# Altium PCB MainBoard.PcbDoc (part 3 of 4) (continued)
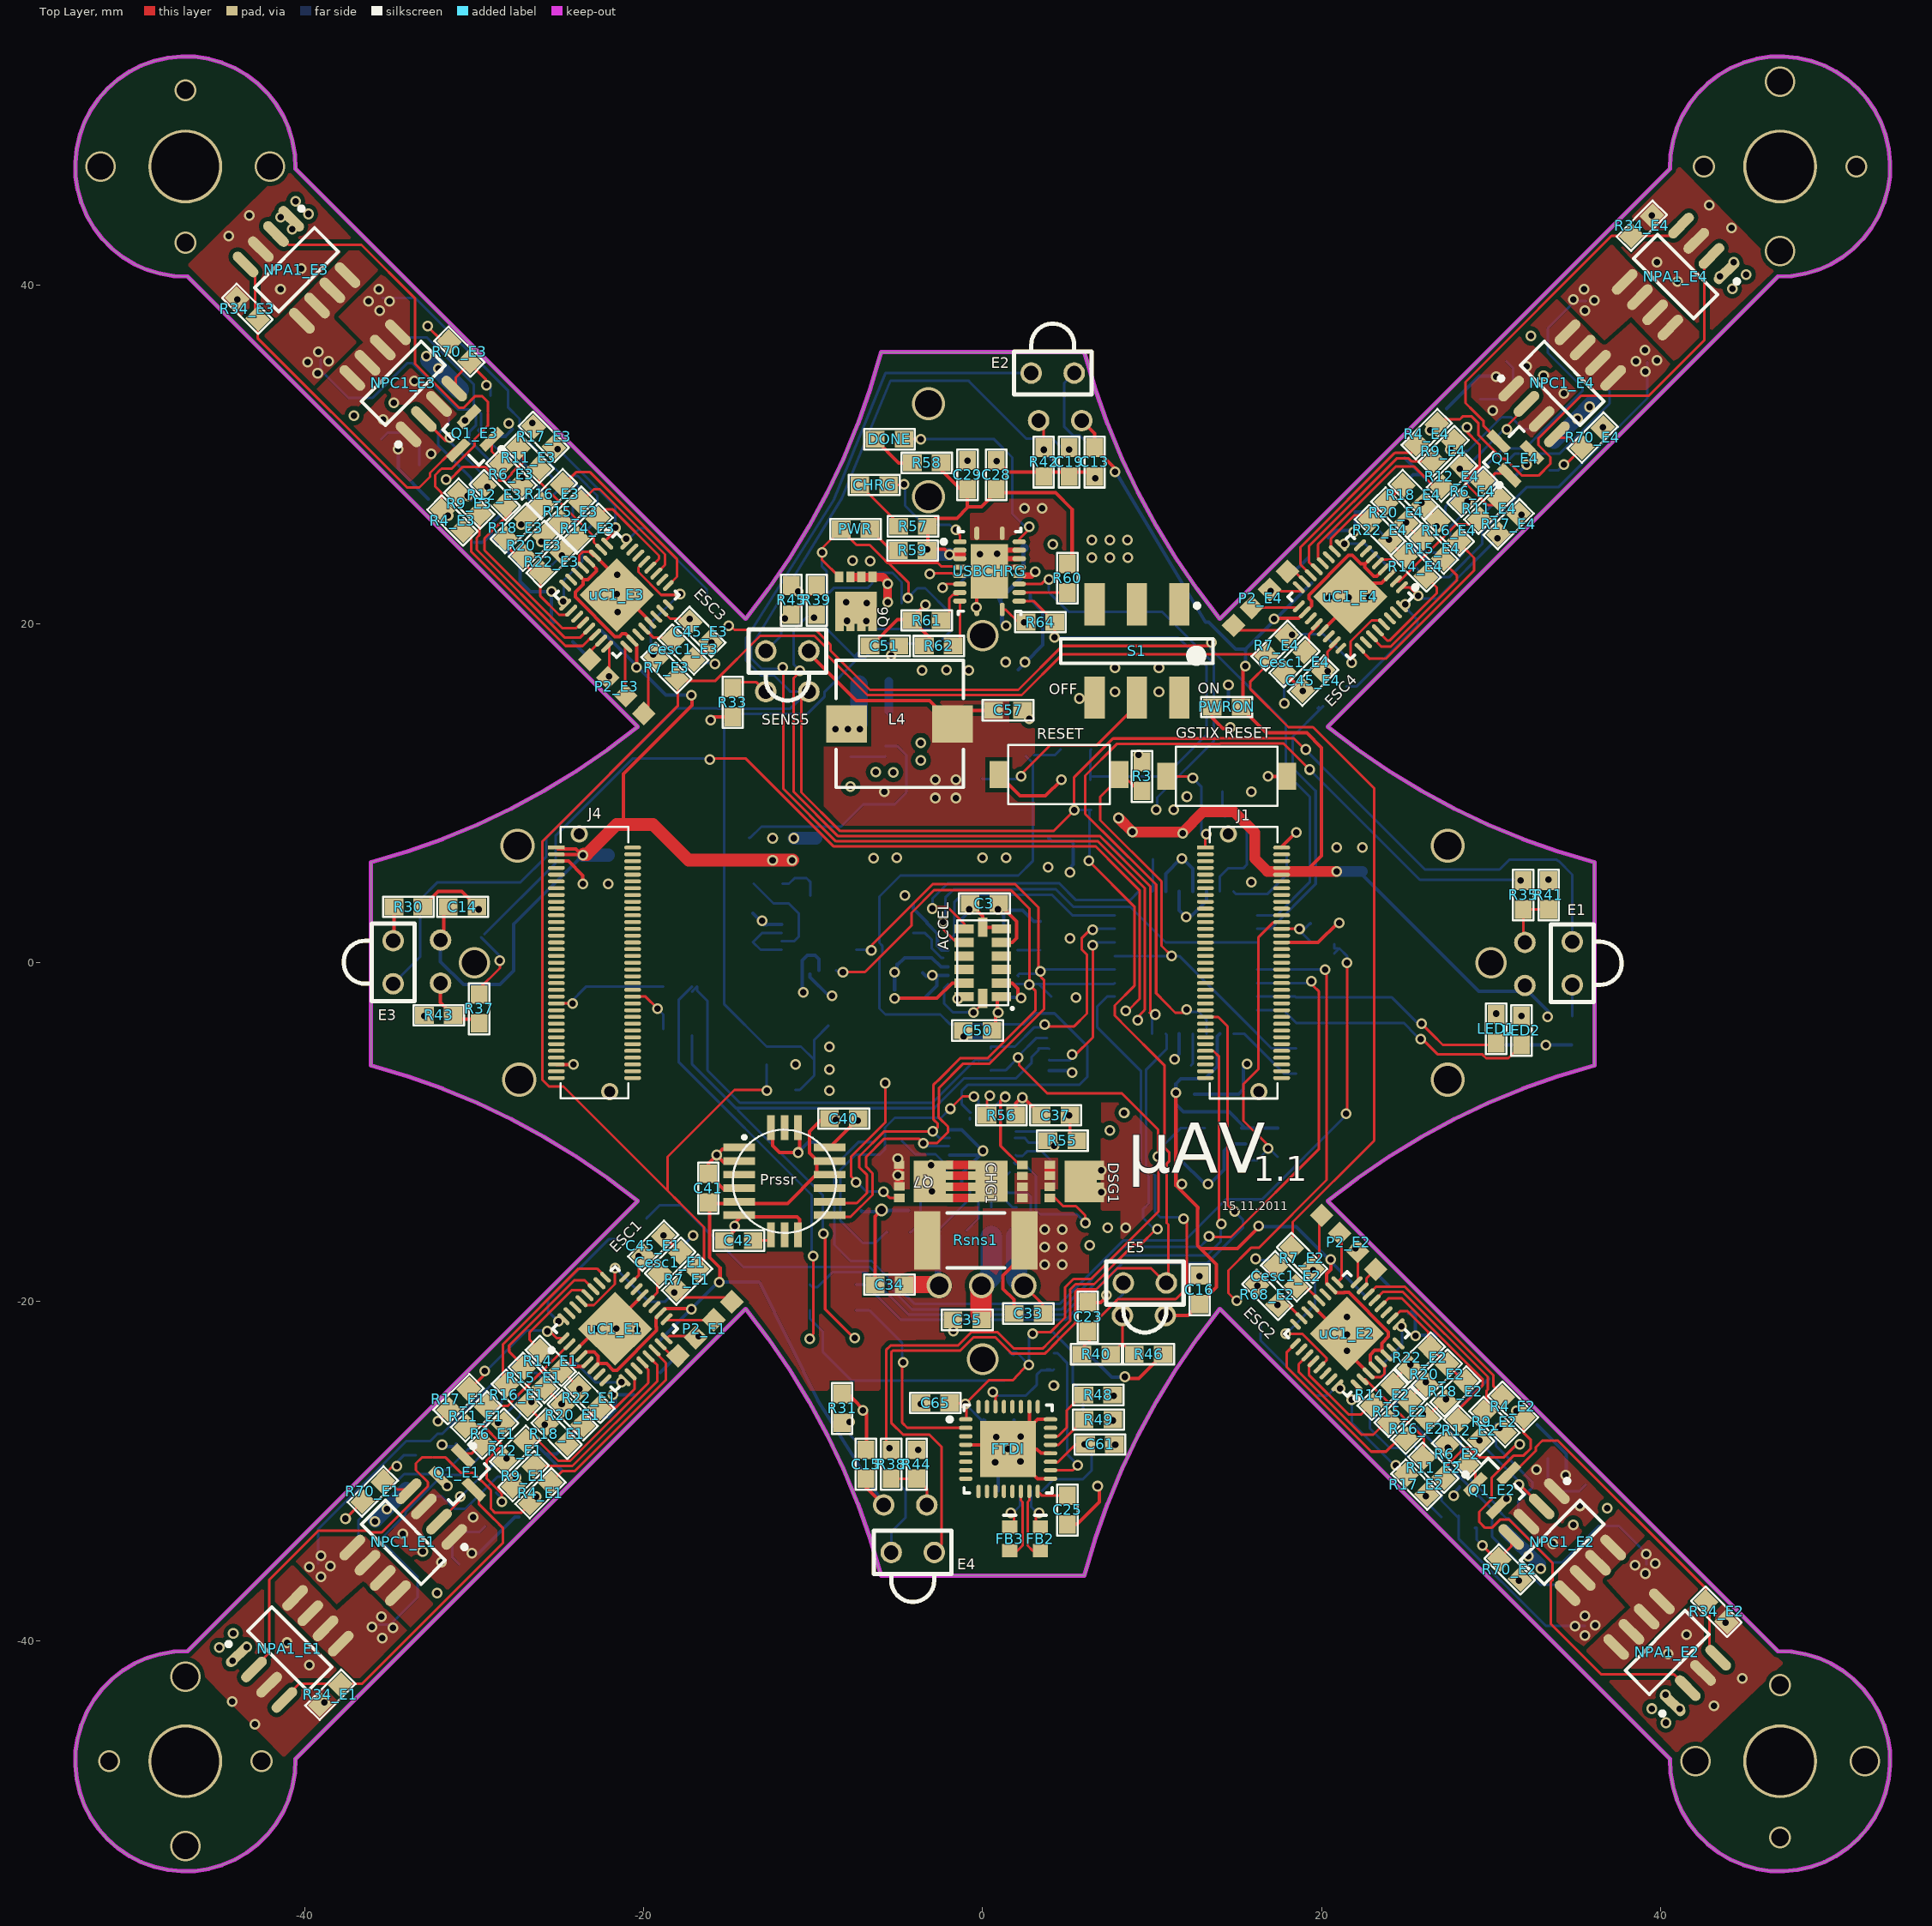
[diagram p0: Top Layer view]
## Nets (pads, with @x,y where several pads share a name; then routed paths per layer and width w, separated by ;. In a path a pad name is that pad's centre, name@x,y a point inside that pad or via, vN(x,y) a via of type N, cw(c..) or ccw(c..) an arc to the next point about the centre after c; other vN are vias at no path point) (continued)
  other v1: -10.2,-22.2
NetJP2_1: JP2.1 JP3.2 Vtrans.6 | length 42.5
  Top Layer w0.152: v1@-9.517,-16.067 v1@-9.45,-16 ; v1@-9.45,-15.95 -9.352,-16.048 -9.3,-16.1 -9.3,-17.621 -9.3,-20.45 -7.575,-22.175 -7.55,-22.2 -7.5,-22.2 -7.5,-22.15 v1@-7.5,-22.1
  Bottom Layer w0.152: JP3.2@-17.15,-4.3 -17.15,-5.994 -14.56,-8.584 ; -14.45,-8.7 -9.45,-13.7 -9.45,-15.75 v1@-9.35,-15.85 ; v1@-9.45,-16 v1@-9.45,-15.95 ; -2.857,-8.584 -1.086,-6.813 1.975,-6.813 2.896,-5.892 2.896,-5.558 3.3,-5.154 3.3,-5.05 3.85,-5.05 Vtrans.6@3.925,-5.075 ; v1@-9.45,-15.95 v1@-9.35,-15.85 ; v1@-9.45,-15.95 -9.35,-15.95 -9.3,-15.9 v1@-9.35,-15.85
  Bottom Layer w0.178: -14.56,-8.584 -2.857,-8.584
  other v1: -7.55,-22.15 -9.4,-16
NetL1_1: L1.1 USBCHRG.1 USBCHRG.20
  other v1: 6.447,23.906 7.501,23.916 8.555,23.921 6.447,24.95 7.501,24.95 8.55,24.95 2.456,26.817 3.505,26.812
NetLED1_2: LED1.2 R74.2
  other v1: 30.3,-3
NetLED2_2: LED2.2 R75.2
  other v1: 31.8,-3.15
NetLED_E1_2: LED_E1.2 R76_E1.2 | length 1.4
  Bottom Layer w0.203: R76_E1.2@-19.024,-24.174 LED_E1.2@-18.05,-23.2
NetLED_E2_2: LED_E2.2 R76_E2.2 | length 1.3
  Bottom Layer w0.203: LED_E2.2@23.05,-18.15 R76_E2.2@23.975,-19.075
NetLED_E3_2: LED_E3.2 R76_E3.2 | length 1.4
  Bottom Layer w0.203: R76_E3.2@-24.2,18.95 -23.251,18.001 LED_E3.2@-23.201,18.001
NetLED_E4_2: LED_E4.2 R76_E4.2 | length 1.6
  Bottom Layer w0.203: LED_E4.2@18.05,22.8 18.1,22.8 R76_E4.2@19.199,23.899
NetNPA1_E1_2: NPA1_E1.2 R4_E1.2 R5_E1.2 | length 27.8
  Top Layer w0.152: NPA1_E1.2@-42.911,-41.513 -42.1,-40.702 -42.1,-36.4 -39.226,-33.526 -36.23,-33.526 -36.139,-33.618 -35.468,-33.618 -32.75,-30.9 -32.75,-30.65 -33.45,-29.95 -33.45,-29.55 -33.1,-29.2 -32.5,-29.2 ; -32.425,-29.198 -31.713,-29.198 ; -31.7,-29.2 -30.788,-30.112 -30.045,-30.112 -29.029,-31.128 -29.029,-32.221 -28.788,-32.462 -27.236,-32.462 R4_E1.2@-26.693,-31.919
  other v1: -26.348,-31.518
NetNPA1_E1_4: NPA1_E1.4 Q1_E1.3 R34_E1.2 | length 20.7
  Top Layer w0.152: NPA1_E1.4@-41.115,-43.309 -40.356,-42.55 -37.899,-42.55 -36.624,-42.55 -28.325,-34.25 -28.325,-33.354 -28.826,-32.852 -28.829,-32.852 -29.741,-31.941 -29.741,-31.559 Q1_E1.3@-30.346,-30.954
NetNPA1_E2_2: NPA1_E2.2 R4_E2.2 R5_E2.2 | length 27.2
  Top Layer w0.152: R4_E2.2@31.901,-26.951 R4_E2.2@31.901,-26.801 31.901,-27.711 32.35,-28.16 32.35,-28.45 32.347,-28.453 32.347,-28.665 31.929,-29.083 31.344,-29.083 30.05,-30.377 30.05,-31.65 29.3,-32.4 29.3,-33 29.65,-33.35 30.05,-33.35 30.55,-32.85 31.05,-32.85 33.64,-35.44 33.64,-36.417 33.526,-36.53 33.526,-39.026 36.5,-42 40.802,-42 NPA1_E2.2@41.613,-42.811
  other v1: 31.5,-26.45
NetNPA1_E2_4: NPA1_E2.4 Q1_E2.3 R34_E2.2 | length 20.3
  Top Layer w0.152: Q1_E2.3@31.054,-30.246 Q1_E2.3@31.097,-30.203 ; Q1_E2.3@31.413,-29.82 31.623,-29.82 32.652,-28.792 32.652,-28.581 32.978,-28.255 32.981,-28.255 33.036,-28.2 33.95,-28.2 42.699,-36.949 R34_E2.2@42.699,-37.699 ; R34_E2.2@42.9,-37.544 42.9,-37.699 42.9,-40.3 NPA1_E2.4@43.2,-40.6 ; R34_E2.2@42.999,-37.399 R34_E2.2@43.299,-37.699 ; NPA1_E2.4@43.299,-40.905 NPA1_E2.4@43.409,-41.015
NetNPA1_E3_2: NPA1_E3.2 R4_E3.2 R5_E3.2 | length 26.8
  Top Layer w0.152: NPA1_E3.2@-41.513,42.911 -40.973,42.371 -36.671,42.371 -33.493,39.193 -33.493,35.343 -30.9,32.75 -30.65,32.75 -29.95,33.45 -29.569,33.45 -29.553,33.434 -29.534,33.434 -29.2,33.1 -29.2,32.5 ; R4_E3.2@-31.939,27.197 -31.939,27.73 -32.317,28.108 -32.317,28.787 -31.994,29.11 -31.938,29.167 -31.335,29.167 -29.985,30.517 -29.985,30.915 -29.2,31.7 ; -29.198,31.713 -29.198,32.425
  other v1: -31.557,26.387
NetNPA1_E3_4: NPA1_E3.4 Q1_E3.3 R34_E3.2 | length 21
  Top Layer w0.152: NPA1_E3.4@-43.309,41.115 -42.95,40.756 -42.95,38.149 R34_E3.2@-42.799,37.999 -42.8,36.874 -33.976,28.05 -33.25,28.05 -32.622,28.678 -32.622,28.914 -31.189,30.346 Q1_E3.3@-30.954,30.346
NetNPA1_E4_2: NPA1_E4.2 R4_E4.2 R5_E4.2 | length 27.6
  Top Layer w0.152: R4_E4.2@26.751,31.801 26.776,31.826 27.026,32.076 28.16,32.076 28.326,32.242 28.863,32.242 29.242,31.863 29.242,31.158 30.655,29.745 30.839,29.745 31.832,28.752 32.802,28.752 33.5,29.45 33.5,29.85 32.8,30.55 32.8,30.95 35.319,33.469 39.319,33.469 42.6,36.75 NPA1_E4.2@42.6,41.25
  other v1: 26.404,31.426
NetNPA1_E4_4: NPA1_E4.4 Q1_E4.3 R34_E4.2 | length 20.6
  Top Layer w0.152: 28.988,32.547 28.493,33.041 28.493,34.276 37.118,42.9 40.65,42.9 NPA1_E4.4@41.15,43.4 ; 28.989,32.547 29.547,31.989 29.547,31.703 Q1_E4.3@30.396,30.854
NetNPB1_E1_2: NPB1_E1.2 R9_E1.2 R10_E1.2 | length 7.1
  Bottom Layer w0.152: NPB1_E1.2@-33.087,-31.989 -32.598,-31.5 -31.916,-31.5 -31.868,-31.548 -31.868,-31.558 -31.427,-31.999 -31.411,-31.999 -31.178,-32.232 -30.528,-32.232 -28.628,-30.332 -27.432,-30.332 R10_E1.2@-27.301,-30.201
  other v1: -27.55,-30.4
NetNPB1_E1_4: NPB1_E1.4 Q2_E1.3 R69_E1.2 | length 4.1
  Bottom Layer w0.152: NPB1_E1.4@-31.291,-33.785 NPB1_E1.4@-31.291,-33.85 ; R69_E1.2@-30.899,-35.499 -31.291,-35.107 -31.291,-33.885 NPB1_E1.4@-31.291,-33.85 ; Q2_E1.3@-29.354,-33.254 -29.691,-33.591 -31.032,-33.591 -31.259,-33.818 NPB1_E1.4@-31.291,-33.85
NetNPB1_E2_2: NPB1_E2.2 R9_E2.2 R10_E2.2 | length 7.2
  Bottom Layer w0.152: R10_E2.2@30.301,-27.201 30.301,-27.45 30.301,-28.519 32.436,-30.653 32.436,-30.988 32.323,-31.101 32.309,-31.101 31.6,-31.81 31.6,-32.498 NPB1_E2.2@32.089,-32.987
  other v1: 30.5,-27.45
NetNPB1_E2_4: NPB1_E2.4 Q2_E2.3 R69_E2.2 | length 4.1
  Bottom Layer w0.152: Q2_E2.3@33.354,-29.254 33.354,-30.595 33.918,-31.159 NPB1_E2.4@33.95,-31.191 ; NPB1_E2.4@33.885,-31.191 NPB1_E2.4@33.95,-31.191 ; R69_E2.2@35.599,-30.799 35.207,-31.191 NPB1_E2.4@33.95,-31.191
NetNPB1_E3_2: NPB1_E3.2 R9_E3.2 R10_E3.2 | length 7.1
  Bottom Layer w0.152: NPB1_E3.2@-31.989,33.087 -31.5,32.598 -31.5,31.839 -31.694,31.644 -31.706,31.644 -32.128,31.222 -32.128,30.546 -30.201,28.619 R10_E3.2@-30.201,27.301
  other v1: -30.4,27.55
NetNPB1_E3_4: NPB1_E3.4 Q2_E3.3 R69_E3.2 | length 4.1
  Bottom Layer w0.152: R69_E3.2@-35.499,30.899 -35.107,31.291 -33.885,31.291 NPB1_E3.4@-33.85,31.291 ; NPB1_E3.4@-33.785,31.291 NPB1_E3.4@-33.85,31.291 ; Q2_E3.3@-33.254,29.354 -33.254,30.695 -33.818,31.259 NPB1_E3.4@-33.85,31.291
NetNPB1_E4_2: NPB1_E4.2 R9_E4.2 R10_E4.2 | length 7.1
  Bottom Layer w0.152: R10_E4.2@27.301,30.201 27.6,30.201 28.619,30.201 30.618,32.2 31.192,32.2 31.892,31.5 32.598,31.5 NPB1_E4.2@33.087,31.989
  other v1: 27.6,30.3
NetNPB1_E4_4: NPB1_E4.4 Q2_E4.3 R69_E4.2 | length 4.1
  Bottom Layer w0.152: Q2_E4.3@29.354,33.254 30.695,33.254 31.259,33.818 NPB1_E4.4@31.291,33.85 ; R69_E4.2@30.899,35.499 31.291,35.107 31.291,33.885 NPB1_E4.4@31.291,33.85 ; NPB1_E4.4@31.291,33.785 NPB1_E4.4@31.291,33.85
NetNPC1_E1_2: NPC1_E1.2 R12_E1.2 R13_E1.2 | length 5.5
  Top Layer w0.152: NPC1_E1.2@-32.089,-32.987 -30.8,-31.698 v1@-30.8,-31.5
  Bottom Layer w0.152: v1@-30.85,-31.55 -30.8,-31.5 R13_E1.2@-28.401,-29.101
  other v1: -30.824,-31.502 -28.1,-29.25
NetNPC1_E1_4: NPC1_E1.4 Q3_E1.3 R70_E1.2 | length 4
  Top Layer w0.152: R70_E1.2@-35.299,-30.399 -35.299,-30.199 v1@-34.7,-29.6 ; R70_E1.2@-35.225,-30.425 -34.559,-31.091 NPC1_E1.4@-33.985,-31.091
  Bottom Layer w0.152: v1@-34.7,-29.6 -34.154,-29.054 -33.454,-29.054
  other v1: -34.59,-29.71
NetNPC1_E2_2: NPC1_E2.2 R12_E2.2 R13_E2.2 | length 5.4
  Top Layer w0.152: v1@31.674,-30.776 NPC1_E2.2@32.987,-32.089
  Bottom Layer w0.152: R13_E2.2@29.201,-28.301 29.344,-28.301 31.65,-30.607 v1@31.65,-30.75
  other v1: 31.648,-30.81 29.312,-28.194
NetNPC1_E2_4: NPC1_E2.4 Q3_E2.3 R70_E2.2 | length 4.4
  Top Layer w0.152: v1@29.7,-34.6 30.299,-35.199 R70_E2.2@30.499,-35.199 R70_E2.2@30.499,-34.699 ; R70_E2.2@30.525,-35.125 31.191,-34.459 NPC1_E2.4@31.191,-33.885
  Bottom Layer w0.152: Q3_E2.3@29.054,-33.354 29.154,-33.354 29.154,-34.054 v1@29.503,-34.403
  other v1: 29.489,-34.392
NetNPC1_E3_2: NPC1_E3.2 R12_E3.2 R13_E3.2 | length 5.5
  Top Layer w0.152: NPC1_E3.2@-32.987,32.089 -31.698,30.8 v1@-31.5,30.8
  Bottom Layer w0.152: v1@-31.55,30.85 -31.5,30.8 R13_E3.2@-29.101,28.401
  other v1: -29.25,28.1 -31.437,30.997
NetNPC1_E3_4: NPC1_E3.4 Q3_E3.3 R70_E3.2 | length 4
  Top Layer w0.152: NPC1_E3.4@-31.091,33.985 -31.091,34.559 R70_E3.2@-30.425,35.225 ; R70_E3.2@-30.399,35.299 -30.199,35.299 -29.319,34.419 v1@-29.319,34.081
  Bottom Layer w0.152: Q3_E3.3@-29.054,33.454 v1@-29.054,34.154
  other v1: -29.284,34.081
NetNPC1_E4_2: NPC1_E4.2 R12_E4.2 R13_E4.2 | length 5.5
  Top Layer w0.152: v1@30.85,31.4 30.85,31.598 NPC1_E4.2@32.139,32.887
  Bottom Layer w0.152: R13_E4.2@28.401,29.101 30.775,31.475 v1@30.85,31.55
  other v1: 28.15,29.15 30.938,31.478
NetNPC1_E4_4: NPC1_E4.4 Q3_E4.3 R70_E4.2 | length 4.6
  Top Layer w0.152: NPC1_E4.4@34.035,30.991 34.609,30.991 R70_E4.2@35.275,30.325 ; v1(34.3,29.4) 34.4,29.4 R70_E4.2@35.299,30.299 ; R70_E4.2@34.849,30.299 R70_E4.2@35.299,30.299 ; R70_E4.2@35.349,30.249 35.349,30.299 R70_E4.2@35.299,30.299 ; R70_E4.2@35.399,30.399 R70_E4.2@35.299,30.299
  Bottom Layer w0.152: Q3_E4.3@33.454,29.054 33.954,29.054 v1(34.3,29.4)
"NetPWR ON_2": PWRON.2 R77.2 | length 2
  Top Layer w0.203: PWRON.2@13.55,15.1 13.55,14.45 14.166,13.834 v1@14.634,13.834
  other v1: 14.623,13.895
NetPWR_1: PWR.1 R59.1 | length 2.2
  Top Layer w0.152: PWR.1@-6.65,25.6 -5.45,24.4 R59.1@-4.95,24.4
NetQ1_E1_1: Q1_E1.1 R6_E1.2 | length 1.9
  Top Layer w0.152: Q1_E1.1@-30.982,-28.974 -30.882,-28.974 -30.174,-28.974 -29.551,-28.351 R6_E1.2@-29.401,-28.201
NetQ1_E2_1: Q1_E2.1 R6_E2.2 | length 1.9
  Top Layer w0.152: R6_E2.2@28.301,-29.301 28.351,-29.351 29.074,-30.074 Q1_E2.1@29.074,-30.882
NetQ1_E3_1: Q1_E3.1 R6_E3.2 | length 1.9
  Top Layer w0.152: Q1_E3.1@-28.974,30.982 -28.974,30.174 -28.326,29.526 R6_E3.2@-28.201,29.401
NetQ1_E4_1: Q1_E4.1 R6_E4.2 | length 1.9
  Top Layer w0.152: R6_E4.2@29.451,28.101 29.626,28.276 30.224,28.874 Q1_E4.1@31.032,28.874
NetQ2_E1_1: Q2_E1.1 R11_E1.2 | length 6.9
  Top Layer w0.152: R11_E1.2@-30.406,-27.327 -29.474,-27.327 -28.45,-28.351 -28.45,-28.55 -29.272,-29.372 -29.272,-30.454 -28.398,-31.328 v1@-28.398,-31.552
  Bottom Layer w0.152: Q2_E1.1@-28.718,-31.274 -28.342,-31.65 v1@-28.25,-31.65
  other v1: -28.382,-31.815
NetQ2_E2_1: Q2_E2.1 R11_E2.2 | length 6.3
  Top Layer w0.152: R11_E2.2@27.203,-29.997 27.203,-29.87 28.448,-28.626 28.695,-28.626 29.254,-29.185 29.444,-29.185 30.203,-29.185 30.765,-29.185 v1@31.652,-28.298
  Bottom Layer w0.152: Q2_E2.1@31.374,-28.618 31.75,-28.242 v1@31.75,-28.15
  other v1: 31.685,-28.411
NetQ2_E3_1: Q2_E3.1 R11_E3.2 | length 7.2
  Top Layer w0.152: v1@-31.552,28.398 -30.678,29.272 -29.372,29.272 -28.55,28.45 -28.2,28.45 -27.812,28.838 -27.812,28.894 -27.432,29.273 -27.377,29.273 -27.104,29.546 -27.104,29.573 ; -27.101,29.549 -27.101,30.401 R11_E3.2@-27.101,30.501
  Bottom Layer w0.152: v1@-31.65,28.25 -31.65,28.342 Q2_E3.1@-31.274,28.718
  other v1: -31.669,28.519
NetQ2_E4_1: Q2_E4.1 R11_E4.2 | length 7.1
  Top Layer w0.152: v1@28.448,31.452 28.45,31.45 29.322,30.578 29.322,29.272 28.5,28.45 28.5,28.301 29.8,27.001 30.501,27.001 R11_E4.2@30.551,27.001
  Bottom Layer w0.152: 28.25,31.65 28.342,31.65 28.496,31.496 28.668,31.324 Q2_E4.1@28.718,31.274
  other v1: 28.594,31.594
NetQ3_E1_1: Q3_E1.1 R17_E1.2 | length 0.9
  Top Layer w0.152: v1@-32.113,-27.042 -31.501,-26.43 R17_E1.2@-31.501,-26.401
  other v1: -32.16,-27.059
NetQ3_E2_1: Q3_E2.1 R17_E2.2 | length 1.6
  Bottom Layer w0.152: v1@26.137,-31.496 26.137,-31.78 Q3_E2.1@27.074,-32.718
  other v1: 26.162,-31.471
NetQ3_E3_1: Q3_E3.1 R17_E3.2
  other v1: -26.583,31.868
NetQ3_E4_1: Q3_E4.1 R17_E4.2
  other v1: 31.8,26.45
NetQ4_2: Q4.1 R27.2 | length 1.5
  Bottom Layer w0.152: Q4.1@7.275,7.175 R27.2@8.35,6.1
NetQ7_2: Q7.2 Q8.1 | length 9.6
  Top Layer w0.152: v1@-7.49,-12.74 -7.635,-12.74 -7.77,-12.605 -7.77,-11.439 -5.75,-9.419 v1(-5.75,-7.1) ; v1(-5.85,-13.525) -5.5,-13.875 Q7.2@-4.925,-13.875
  Bottom Layer w0.152: v1(-7.475,-12.95) -7.425,-12.95 -6.875,-13.5 v1@-5.875,-13.5 ; v1@-7.285,-12.924 v1@-7.241,-12.924
NetR1_1: R1.1 R2.1 R7_E1.2 R7_E2.2 R7_E3.2 R7_E4.2 | length 134.1
  Top Layer w0.152: R7_E3.2@-18.099,16.849 -17.999,16.849 R7_E3.2@-17.899,16.849 ; R7_E3.2@-17.999,16.699 -17.999,15.154 -26,7.153 -26,-6.9 -25.6,-7.3 -24.75,-7.3 -18.6,-13.45 ; R7_E3.2@-17.95,16.628 -15.801,16.628 -13.129,19.3 -9.939,19.3 -9.284,18.645 -9.284,18.275 -6.807,15.799 ; -17.875,-14.175 -18.6,-13.45 ; R7_E1.2@-16.849,-18.099 -16.849,-17.899 -16.444,-17.494 -16.444,-15.606 -18.6,-13.45 ; v1@-12.75,-7.5 -14.65,-7.5 -18.6,-11.45 -18.6,-13.45 ; -6.782,15.799 2.299,15.799 4.7,18.2 13.228,18.2 13.772,18.2 16.4,18.2 16.6,18 R7_E4.2@16.75,17.85 ; R7_E4.2@16.75,17.55 15.8,16.6 15.8,16.15 18.042,13.908 19.492,13.908 23.1,10.3 23.1,-10.5 18.3,-15.3 R7_E2.2@18.3,-16.75
  Bottom Layer w0.152: R1.1@-12.75,-7.5 R2.1@-12.75,-6
  other v1: -12.75,-7.55
NetR8_E1_1: R8_E1.1 uC1_E1.32 | length 7.2
  Bottom Layer w0.152: v1@-25.06,-21.161 -25.65,-20.571 -25.65,-19.9 -22.05,-16.3 R8_E1.1@-21.45,-16.3
  other v1: -25.03,-21.161
NetR8_E2_1: R8_E2.1 uC1_E2.32 | length 7.1
  Bottom Layer w0.152: R8_E2.1@16.4,-21.35 16.4,-22.3 19.65,-25.55 20.35,-25.55 20.875,-25.025 20.95,-25.025 v1@21.025,-25.025
  other v1: 21.082,-25.121
NetR8_E3_1: R8_E3.1 uC1_E3.32 | length 6.9
  Bottom Layer w0.152: v1@-20.925,25.125 -20.85,25.125 -20.775,25.125 -20.25,25.65 -19.9,25.65 -16.3,22.05 R8_E3.1@-16.3,21.45
  other v1: -21.033,25.026
NetR8_E4_1: R8_E4.1 uC1_E4.32 | length 6.9
  Bottom Layer w0.152: R8_E4.1@21.45,16.3 22.05,16.3 25.65,19.9 25.65,20.25 25.125,20.775 25.125,20.8 v1@25.125,20.925
  other v1: 24.946,21.163
NetR14_E1_1: R14_E1.1 R22_E1.1 R23_E1.1 R24_E1.1 | length 2.8
  Top Layer w0.152: R14_E1.1@-24.899,-24.001 -24.849,-24.051 R22_E1.1@-23.901,-24.999
  Bottom Layer w0.152: R23_E1.1@-24.299,-24.601 -23.775,-25.125 R24_E1.1@-23.301,-25.599
  other v1: -23.8,-25.15
NetR14_E2_1: R14_E2.1 R22_E2.1 R23_E2.1 R24_E2.1 | length 2.8
  Top Layer w0.152: R14_E2.1@24.101,-24.799 R22_E2.1@25.099,-23.801
  Bottom Layer w0.152: R23_E2.1@24.701,-24.199 25.225,-23.675 R24_E2.1@25.699,-23.201
  other v1: 25.25,-23.7
NetR14_E3_1: R14_E3.1 R22_E3.1 R23_E3.1 R24_E3.1 | length 2.8
  Top Layer w0.152: R22_E3.1@-24.999,23.901 -24.699,24.201 R14_E3.1@-24.001,24.899
  Bottom Layer w0.152: R24_E3.1@-25.599,23.301 -25.125,23.775 -24.651,24.249 R23_E3.1@-24.601,24.299
  other v1: -24.828,24.032
NetR14_E4_1: R14_E4.1 R22_E4.1 R23_E4.1 R24_E4.1 | length 2.8
  Top Layer w0.152: R22_E4.1@23.951,24.899 24.226,24.624 R14_E4.1@24.949,23.901
  Bottom Layer w0.152: R24_E4.1@23.301,25.599 23.351,25.549 23.85,25.05 24.249,24.651 R23_E4.1@24.299,24.601
  other v1: 23.966,24.968
NetR15_E1_1: R15_E1.1 R20_E1.1 R21_E1.1 R25_E1.1 | length 4.9
  Top Layer w0.152: R15_E1.1@-25.899,-25.001 -25.849,-25.051 R20_E1.1@-24.901,-25.999
  Bottom Layer w0.152: R21_E1.1@-27.199,-24.199 -26.351,-24.199 -24.701,-25.849 -24.701,-26.05 -24.701,-26.099 R25_E1.1@-24.701,-26.199
  other v1: -24.85,-26.05
NetR15_E2_1: R15_E2.1 R20_E2.1 R21_E2.1 R25_E2.1 | length 5
  Top Layer w0.152: R15_E2.1@25.101,-25.799 R20_E2.1@26.099,-24.801
  Bottom Layer w0.152: R21_E2.1@24.299,-27.099 24.299,-26.12 25.818,-24.601 25.949,-24.601 26.15,-24.601 R25_E2.1@26.299,-24.601
  other v1: 26.15,-24.75
NetR15_E3_1: R15_E3.1 R20_E3.1 R21_E3.1 R25_E3.1 | length 4.9
  Top Layer w0.152: R20_E3.1@-25.999,24.901 -25.724,25.176 R15_E3.1@-25.001,25.899
  Bottom Layer w0.152: R25_E3.1@-26.199,24.701 R25_E3.1@-26.099,24.701 -26.05,24.701 -25.849,24.701 -24.199,26.351 R21_E3.1@-24.199,27.199
  other v1: -26.05,24.85
NetR15_E4_1: R15_E4.1 R20_E4.1 R21_E4.1 R25_E4.1 | length 5
  Top Layer w0.152: R20_E4.1@24.951,25.899 25.226,25.624 R15_E4.1@25.949,24.901
  Bottom Layer w0.152: R25_E4.1@24.701,26.199 24.701,25.95 24.701,25.899 24.701,25.696 26.198,24.199 R21_E4.1@27.199,24.199
  other v1: 25,25.98
NetR16_E1_1: R16_E1.1 R18_E1.1 R19_E1.1 R26_E1.1 | length 1.6
  Top Layer w0.152: R16_E1.1@-26.949,-26.001 -26.949,-26.085 -26.916,-26.118 R18_E1.1@-25.908,-27.126
  other v1: -25.85,-27.25 -26.628,-25.907
NetR16_E2_1: R16_E2.1 R18_E2.1 R19_E2.1 R26_E2.1 | length 1.6
  Top Layer w0.152: R16_E2.1@26.101,-26.849 26.185,-26.849 R18_E2.1@27.226,-25.808
  other v1: 25.984,-26.645 27.35,-25.75
NetR16_E3_1: R16_E3.1 R18_E3.1 R19_E3.1 R26_E3.1 | length 1.6
  Top Layer w0.152: R18_E3.1@-27.126,25.908 -26.816,26.218 -26.085,26.949 R16_E3.1@-26.001,26.949
  other v1: -27.25,25.85 -25.696,26.783
NetR16_E4_1: R16_E4.1 R18_E4.1 R19_E4.1 R26_E4.1 | length 1.6
  Top Layer w0.152: R18_E4.1@25.958,27.026 26.243,26.741 26.999,25.985 R16_E4.1@26.999,25.901
  other v1: 26.786,25.766 25.9,27.15
NetR35_2: R35.2 R41.2 SENS1.2 | length 3.5
  Top Layer w0.152: SENS1.2@32,1.2 31.9,1.3 R35.2@31.9,3.15 R41.2@33.4,3.15
NetR36_2: R36.2 R42.2 SENS2.2 | length 4.1
  Top Layer w0.152: SENS2.2@3.3,32 3.6,31.7 R42.2@3.6,30.4
  Bottom Layer w0.152: v1@3.515,30.185 R36.2@5.2,28.5
  other v1: 3.607,30.277
NetR37_2: R37.2 R43.2 SENS3.2 | length 3.5
  Top Layer w0.203: SENS3.2@-32,-1.2 -32,-2.35 -31.032,-3.318 R37.2@-30.068,-3.318
NetR38_2: R38.2 R44.2 SENS4.2 | length 3.3
  Top Layer w0.152: R38.2@-5.4,-30.45 R44.2@-3.9,-30.45 -3.3,-31.05 SENS4.2@-3.3,-32
NetR39_2: R39.2 R45.2 SENS5.2 | length 4.2
  Top Layer w0.152: R45.2@-11.3,20.75 -11.127,20.75 R39.2@-9.8,22.077
  Top Layer w0.203: R39.2@-9.8,22.05 R39.2@-9.8,22.077
  Bottom Layer w0.152: SENS5.2@-12.8,18.4 -11.9,19.3 v1@-11.9,20.2
  other v1: -11.684,20.32
NetR40_2: R40.2 R46.2 SENS6.2 | length 3.6
  Top Layer w0.152: R40.2@7.55,-23.1 7.6,-23.1 8.242,-22.458 ; SENS6.2@8.242,-20.827 8.242,-22.458 ; R46.2@8.95,-23.1 8.884,-23.1 8.242,-22.458
NetR48_1: R48.1 TX1.2
  other v1: 7.721,-25.564
NetR49_1: R49.1 RX1.2
  other v1: 7.683,-27.016
NetR60_2: R60.2 USBCHRG.13 | length 2.9
  Top Layer w0.152: USBCHRG.13@2.15,21.85 R60.2@5.029,21.85
NetR61_2: R61.2 USBCHRG.8 | length 1.6
  Top Layer w0.152: R61.2@-1.979,20.678 -1.979,21.507 -1.757,21.729 -1.471,21.729 USBCHRG.8@-1.35,21.85
NetR62_2: R62.2 USBCHRG.9 | length 2.7
  Top Layer w0.152: R62.2@-1.473,18.72 -1.35,18.843 USBCHRG.9@-1.35,21.35
NetU1_30: MCU.30 Vtrans.7 | length 11.4
  Top Layer w0.152: v1@5.326,-5.524 5.376,-5.524 6.5,-4.4 6.5,1.2 6.502,1.198 v1(6.502,1.041)
  Bottom Layer w0.152: Vtrans.7@3.925,-5.725 3.925,-5.75 5.1,-5.75 5.15,-5.75 ; 5.175,-5.725 5.15,-5.75 ; v1@5.2,-5.7 5.15,-5.75 ; v1(6.502,1.041) 6.502,1.198 6.5,1.2 MCU.30@7.8,1.2 v1@6.6,1.2
  other v1: 5.286,-5.414
NetU1_31: MCU.31 Vtrans.3 | length 13.5
  Top Layer w0.152: v1@3.65,-3.75 5.4,-3.75 6.148,-3.002 6.148,0.48 5.852,0.776 5.852,1.468 6.384,2 v1@6.65,2
  Bottom Layer w0.152: Vtrans.3@0.475,-5.075 0.475,-4.95 1.9,-4.95 3.05,-3.8 3.6,-3.8 v1@3.65,-3.8 ; v1@3.65,-3.75 v1@3.65,-3.8 ; v1@3.8,-3.8 v1@3.65,-3.8 ; v1@6.65,2 MCU.31@7.8,2
  other v1: 3.649,-3.644 6.5,1.95
PACK: Bprot1.19 C37.1 D15.1 R55.1 | length 3.8
  Top Layer w0.152: R55.1@5.15,-10.5 C37.1@5.15,-9
  Bottom Layer w0.152: Bprot1.19@1.95,-9.95 D15.1@4.2,-9.95
  other v1: 5.1,-9
PACK+: CHG1.3 D15.2 Q7.3 Rsns2.1 USBCHRG.14 | length 29.5
  Top Layer w0.152: USBCHRG.14@2.15,22.35 3.45,22.35 v1@3.65,22.55
  Top Layer w0.508: Q7.3@-2.065,-13.875 CHG1.3@-0.535,-13.875 ; Q7.3@-2.065,-13.225 CHG1.3@-0.535,-13.225 ; Q7.3@-2.065,-12.575 CHG1.3@-0.535,-12.575 ; Q7.3@-2.065,-11.925 CHG1.3@-0.535,-11.925
  Bottom Layer w0.152: v1@3.886,22.475 3.886,21.894 5.079,20.7 10.6,20.7 12.835,18.465 13.65,17.65 13.65,13.1 10.3,9.75 Rsns2.1@10.3,9.325
  other v1: -3,-13.5 -3.05,-11.95 7.493,-9.9 8.35,-8.85 10.233,9.03 11.279,9.037 12.047,9.804 3.912,22.631
PHSA_E1: MTR1_E1.1 NPA1_E1.5 NPA1_E1.6 NPA1_E1.7 NPA1_E1.8 R19_E1.2 | length 18.7
  Bottom Layer w0.152: MTR1_E1.1@-35.626,-39.062 -35.462,-39.062 -34.962,-39.062 -33.35,-37.45 -33.35,-36.25 -35.5,-34.1 -35.5,-34 -34.122,-32.622 ; -34.05,-32.55 -34.05,-32.404 -31.877,-30.232 -30.766,-30.232 -27.902,-27.368 -27.902,-27.335 -27.301,-26.734 -27.301,-26.701 R19_E1.2@-27.301,-26.501
  other v1: -35.45,-39.85 -34.8,-39.25 -36.05,-39.2 -35.5,-38.6
PHSA_E2: MTR1_E2.1 NPA1_E2.5 NPA1_E2.6 NPA1_E2.7 NPA1_E2.8 R19_E2.2 | length 19.3
  Bottom Layer w0.152: R19_E2.2@26.601,-27.201 26.801,-27.201 26.834,-27.201 26.917,-27.285 27.234,-27.285 28.219,-28.27 28.219,-29.921 ; 28.208,-29.908 30.455,-32.155 30.455,-32.342 30.898,-32.785 31.045,-32.785 33.66,-35.4 34.2,-35.4 36.35,-33.25 37.55,-33.25 39.162,-34.862 MTR1_E2.1@39.162,-35.526
  other v1: 39.1,-36.05 38.5,-35.55 39.7,-35.45 39.15,-34.9
PHSA_E3: MTR1_E3.1 NPA1_E3.5 NPA1_E3.6 NPA1_E3.7 NPA1_E3.8 R19_E3.2 | length 19.5
  Bottom Layer w0.152: MTR1_E3.1@-39.062,35.626 -39.062,34.962 -37.45,33.35 -36,33.35 -33.95,35.4 -33.684,35.4 -30.932,32.648 -30.282,32.648 -29.902,32.268 -29.902,31.732 -30.282,31.352 -30.282,30.816 -26.767,27.301 R19_E3.2@-26.501,27.301
  other v1: -39.25,34.8 -39.85,35.45 -38.6,35.5 -39.2,36.05
PHSA_E4: MTR1_E4.1 NPA1_E4.5 NPA1_E4.6 NPA1_E4.7 NPA1_E4.8 R19_E4.2 | length 18.8
  Bottom Layer w0.152: R19_E4.2@27.301,26.501 27.301,26.923 30.733,30.355 32.005,30.355 35.4,33.75 35.4,33.95 33.35,36 33.35,37.45 34.962,39.062 MTR1_E4.1@35.626,39.062
  other v1: 35.55,38.5 36.1,39.1 34.85,39.15 35.5,39.75
PHSB_E1: MTR1_E1.2 NPB1_E1.5 NPB1_E1.6 NPB1_E1.7 NPB1_E1.8 R21_E1.2 | length 13.1
  Bottom Layer w0.152: NPB1_E1.8@-36.822,-33.928 -36.85,-33.9 -36.85,-32.886 -34.145,-30.18 -32.257,-30.18 -32.004,-29.927 -31.577,-29.927 -29.316,-27.666 -29.316,-26.87 -28.401,-25.955 R21_E1.2@-28.401,-25.664
PHSB_E2: MTR1_E2.2 NPB1_E2.5 NPB1_E2.6 NPB1_E2.7 NPB1_E2.8 R21_E2.2 | length 13.2
  Bottom Layer w0.152: R21_E2.2@25.501,-28.301 25.501,-28.551 25.576,-28.626 25.9,-28.95 26.75,-28.95 30.071,-32.271 30.071,-33.881 32.893,-36.703 NPB1_E2.8@34.138,-36.703
PHSB_E3: MTR1_E3.2 NPB1_E3.5 NPB1_E3.6 NPB1_E3.7 NPB1_E3.8 R21_E3.2 | length 13.8
  Bottom Layer w0.152: NPB1_E3.8@-33.928,36.822 -33.85,36.9 -32.801,36.9 -30.05,34.149 -30.05,32.847 -29.597,32.395 -29.597,31.605 -29.776,31.426 -28.195,29.845 -27.445,29.845 -26.65,29.05 -25.8,29.05 -25.426,28.676 -25.401,28.651 -25.401,28.601 R21_E3.2@-25.401,28.401
PHSB_E4: MTR1_E4.2 NPB1_E4.5 NPB1_E4.6 NPB1_E4.7 NPB1_E4.8 R21_E4.2 | length 13.7
  Bottom Layer w0.152: R21_E4.2@28.401,25.401 R21_E4.2@28.651,25.401 ; R21_E4.2@28.592,25.544 30.203,27.155 30.203,28.846 31.394,30.037 ; 31.414,30.05 34.05,30.05 37,33 37,33.75 NPB1_E4.8@36.822,33.928
PHSC_E1: MTR1_E1.3 NPC1_E1.5 NPC1_E1.6 NPC1_E1.7 NPC1_E1.8 R23_E1.2 | length 20
  Bottom Layer w0.152: MTR1_E1.3@-39.226,-35.462 -39.226,-33.43 -34.029,-28.233 -32.608,-28.233 -32.179,-27.804 -31.897,-27.804 -27.387,-23.294 -25.606,-23.294 R23_E1.2@-25.501,-23.399
  other v1: -39.05,-36.25 -39.75,-35.65 -38.5,-35.6 -39.05,-35
PHSC_E2: MTR1_E2.3 NPC1_E2.5 NPC1_E2.6 NPC1_E2.7 NPC1_E2.8 R23_E2.2 | length 21.1
  Bottom Layer w0.152: R23_E2.2@23.499,-25.401 22.85,-26.05 22.85,-27.477 24.011,-28.639 24.576,-28.639 27.076,-31.139 27.076,-31.75 28.092,-32.766 ; 28.092,-32.626 28.092,-32.766 ; MTR1_E2.3@35.562,-39.126 33.226,-39.126 28.083,-33.983 28.083,-32.906 28.092,-32.896 28.092,-32.766
  other v1: 35.55,-39.7 34.95,-39.15 36.15,-39.1 35.55,-38.55
PHSC_E3: MTR1_E3.3 NPC1_E3.5 NPC1_E3.6 NPC1_E3.7 NPC1_E3.8 R23_E3.2 | length 21
  Bottom Layer w0.152: MTR1_E3.3@-35.462,39.226 -35,39.226 -33.476,39.226 -28.004,33.754 -28.004,32.769 -27.335,32.1 -27.335,31.241 -26.828,30.735 ; -26.845,30.772 -24.802,28.729 -23.905,28.729 -22.75,27.573 -22.75,26.15 R23_E3.2@-23.399,25.501
  other v1: -35.6,38.5 -36.25,39.05 -35,39.05 -35.65,39.75